# Altium PCB Apalis-Smart-Vision-Baseboard.PcbDoc (part 4 of 6) (continued)
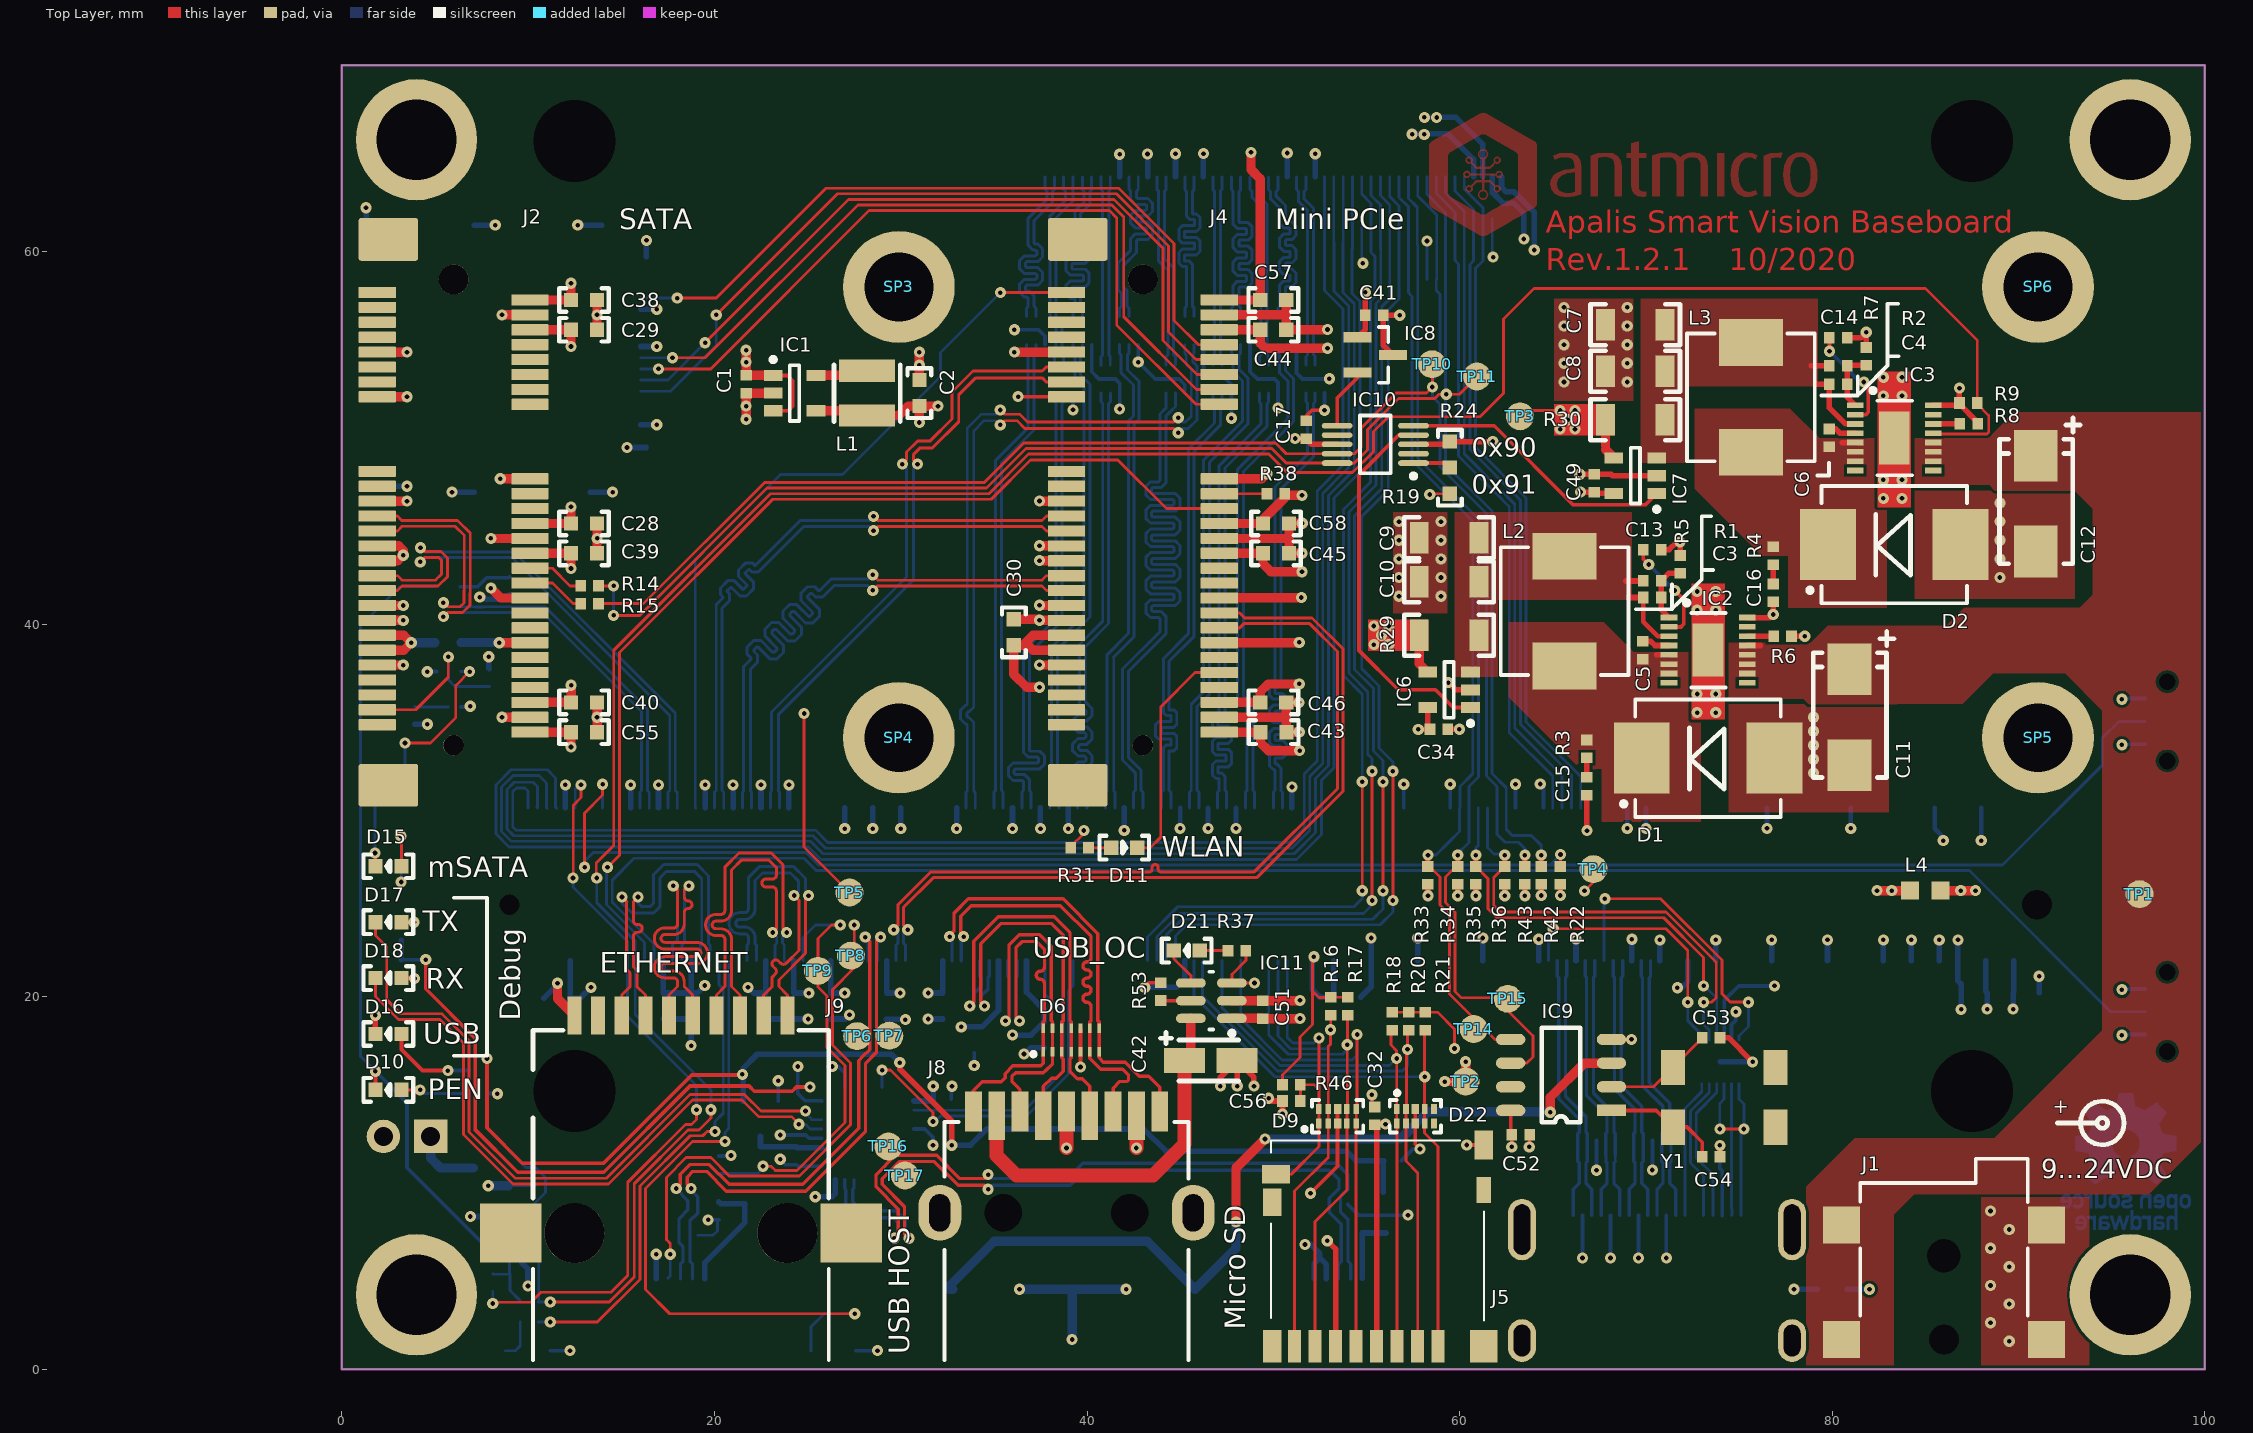
[diagram p0: Top Layer view]
## Nets (pads, with @x,y where several pads share a name; then routed paths per layer and width w, separated by ;. In a path a pad name is that pad's centre, name@x,y a point inside that pad or via, vN(x,y) a via of type N, cw(c..) or ccw(c..) an arc to the next point about the centre after c; other vN are vias at no path point) (continued)
95.241,10.852 ; 93.836,11.422 95.443,11.422 ; 93.836,11.431 95.434,11.431 ; 93.836,12.79 95.379,12.79 ; 93.836,12.799 95.397,12.799 ; 93.836,13.414 97.684,13.414 ; 93.836,13.423 97.684,13.423 ; 93.836,14.048 94.498,14.048 ; 93.846,10.21 94.479,10.21 ; 93.846,10.861 95.241,10.861 ; 93.846,10.871 95.241,10.871 ; 93.846,11.394 95.462,11.394 ; 93.846,11.403 95.462,11.403 ; 93.846,11.412 95.452,11.412 ; 93.846,12.808 95.416,12.808 ; 93.846,12.817 95.434,12.817 ; 93.846,13.405 97.674,13.405 ; 93.846,14.057 94.479,14.057 ; 93.855,10.2 94.461,10.2 ; 93.855,10.88 95.25,10.88 ; 93.855,11.376 95.452,11.376 ; 93.855,11.385 95.462,11.385 ; 93.855,12.826 95.452,12.826 ; 93.855,12.836 95.471,12.836 ; 93.855,12.845 95.498,12.845 ; 93.855,13.386 97.665,13.386 ; 93.855,13.396 97.665,13.396 ; 93.855,14.066 94.47,14.066 ; 93.864,10.191 94.452,10.191 ; 93.864,10.889 95.25,10.889 ; 93.864,10.898 95.26,10.898 ; 93.864,11.348 95.443,11.348 ; 93.864,11.357 95.443,11.357 ; 93.864,11.366 95.452,11.366 ; 93.864,12.854 95.517,12.854 ; 93.864,12.863 95.553,12.863 ; 93.864,13.377 97.656,13.377 ; 93.864,14.075 94.452,14.075 ; 93.873,10.182 94.433,10.182 ; 93.873,10.907 95.26,10.907 ; 93.873,11.33 95.434,11.33 ; 93.873,11.339 95.443,11.339 ; 93.873,12.872 95.59,12.872 ; 93.873,12.881 95.636,12.881 ; 93.873,12.891 95.71,12.891 ; 93.873,13.359 97.647,13.359 ; 93.873,13.368 97.647,13.368 ; 93.873,14.084 94.442,14.084 ; 93.882,8.107 94.149,8.107 ; 93.882,10.173 94.424,10.173 ; 93.882,10.917 95.26,10.917 ; 93.882,11.302 95.425,11.302 ; 93.882,11.311 95.425,11.311 ; 93.882,11.321 95.434,11.321 ; 93.882,12.9 97.638,12.9 ; 93.882,12.909 97.638,12.909 ; 93.882,13.35 97.638,13.35 ; 93.882,14.093 94.424,14.093 ; 93.892,10.164 94.415,10.164 ; 93.892,10.926 95.269,10.926 ; 93.892,10.935 95.269,10.935 ; 93.892,11.284 95.416,11.284 ; 93.892,11.293 95.416,11.293 ; 93.892,12.918 97.629,12.918 ; 93.892,12.927 97.629,12.927 ; 93.892,13.331 97.629,13.331 ; 93.892,13.341 97.629,13.341 ; 93.892,14.103 94.415,14.103 ; 93.901,10.154 94.397,10.154 ; 93.901,10.944 95.278,10.944 ; 93.901,11.256 95.407,11.256 ; 93.901,11.265 95.407,11.265 ; 93.901,11.275 95.416,11.275 ; 93.901,12.937 97.619,12.937 ; 93.901,12.946 97.619,12.946 ; 93.901,12.955 97.619,12.955 ; 93.901,13.322 97.619,13.322 ; 93.901,14.112 94.397,14.112 ; 93.91,10.145 94.387,10.145 ; 93.91,10.953 95.278,10.953 ; 93.91,10.962 95.287,10.962 ; 93.91,11.238 95.397,11.238 ; 93.91,11.247 95.397,11.247 ; 93.91,12.964 97.61,12.964 ; 93.91,12.973 97.61,12.973 ; 93.91,13.304 97.61,13.304 ; 93.91,13.313 97.61,13.313 ; 93.91,14.121 94.387,14.121 ; 93.919,8.098 94.149,8.098 ; 93.919,10.136 94.369,10.136 ; 93.919,10.972 95.287,10.972 ; 93.919,11.21 95.388,11.21 ; 93.919,11.22 95.388,11.22 ; 93.919,11.229 95.397,11.229 ; 93.919,12.982 97.601,12.982 ; 93.919,12.992 97.601,12.992 ; 93.919,13.295 97.601,13.295 ; 93.919,14.13 94.369,14.13 ; 93.928,10.127 94.36,10.127 ; 93.928,10.981 95.287,10.981 ; 93.928,10.99 95.296,10.99 ; 93.928,11.192 95.379,11.192 ; 93.928,11.201 95.379,11.201 ; 93.928,13.001 97.592,13.001 ; 93.928,13.01 97.592,13.01 ; 93.928,13.019 97.592,13.019 ; 93.928,13.285 97.592,13.285 ; 93.928,14.139 94.36,14.139 ; 93.937,8.089 94.149,8.089 ; 93.937,10.118 94.341,10.118 ; 93.937,10.999 95.296,10.999 ; 93.937,11.164 95.37,11.164 ; 93.937,11.174 95.37,11.174 ; 93.937,11.183 95.37,11.183 ; 93.937,13.028 97.583,13.028 ; 93.937,13.038 97.583,13.038 ; 93.937,13.267 97.583,13.267 ; 93.937,13.276 97.583,13.276 ; 93.937,14.149 94.351,14.149 ; 93.947,10.109 94.332,10.109 ; 93.947,11.008 95.306,11.008 ; 93.947,11.018 95.306,11.018 ; 93.947,11.146 95.361,11.146 ; 93.947,11.155 95.361,11.155 ; 93.947,13.047 97.573,13.047 ; 93.947,13.056 97.573,13.056 ; 93.947,13.258 97.573,13.258 ; 93.947,14.158 94.332,14.158 ; 93.956,8.079 94.149,8.079 ; 93.956,10.099 94.314,10.099 ; 93.956,11.027 95.306,11.027 ; 93.956,11.119 95.351,11.119 ; 93.956,11.128 95.351,11.128 ; 93.956,11.137 95.351,11.137 ; 93.956,13.065 97.564,13.065 ; 93.956,13.074 97.564,13.074 ; 93.956,13.083 97.564,13.083 ; 93.956,13.24 97.564,13.24 ; 93.956,13.249 97.564,13.249 ; 93.956,14.167 94.323,14.167 ; 93.965,8.07 94.149,8.07 ; 93.965,10.09 94.305,10.09 ; 93.965,11.036 95.315,11.036 ; 93.965,11.045 95.315,11.045 ; 93.965,11.1 95.342,11.1 ; 93.965,11.109 95.342,11.109 ; 93.965,13.093 97.555,13.093 ; 93.965,13.102 97.555,13.102 ; 93.965,13.23 97.555,13.23 ; 93.965,14.176 94.305,14.176 ; 93.974,8.061 94.149,8.061 ; 93.974,10.081 94.286,10.081 ; 93.974,11.054 95.324,11.054 ; 93.974,11.063 95.324,11.063 ; 93.974,11.073 95.333,11.073 ; 93.974,11.082 95.333,11.082 ; 93.974,11.091 95.333,11.091 ; 93.974,13.111 97.546,13.111 ; 93.974,13.12 97.546,13.12 ; 93.974,13.212 97.546,13.212 ; 93.974,13.221 97.546,13.221 ; 93.974,14.185 94.296,14.185 ; 93.983,8.043 94.149,8.043 ; 93.983,8.052 94.149,8.052 ; 93.983,10.072 94.277,10.072 ; 93.983,13.129 97.537,13.129 ; 93.983,13.139 97.537,13.139 ; 93.983,13.148 97.537,13.148 ; 93.983,13.194 97.537,13.194 ; 93.983,13.203 97.537,13.203 ; 93.983,14.194 94.277,14.194 ; 93.993,8.024 94.149,8.024 ; 93.993,8.033 94.149,8.033 ; 93.993,10.063 94.268,10.063 ; 93.993,13.157 97.528,13.157 ; 93.993,13.166 97.528,13.166 ; 93.993,13.175 97.528,13.175 ; 93.993,13.184 97.528,13.184 ; 93.993,14.204 94.268,14.204 ; 94.002,7.988 94.149,7.988 ; 94.002,7.997 94.149,7.997 ; 94.002,8.006 94.149,8.006 ; 94.002,8.015 94.149,8.015 ; 94.002,10.053 94.25,10.053 ; 94.002,14.213 94.25,14.213 ; 94.011,7.519 94.149,7.519 ; 94.011,7.528 94.149,7.528 ; 94.011,7.538 94.149,7.538 ; 94.011,7.547 94.149,7.547 ; 94.011,7.556 94.149,7.556 ; 94.011,7.565 94.149,7.565 ; 94.011,7.574 94.149,7.574 ; 94.011,7.584 94.149,7.584 ; 94.011,7.593 94.149,7.593 ; 94.011,7.602 94.149,7.602 ; 94.011,7.611 94.149,7.611 ; 94.011,7.62 94.149,7.62 ; 94.011,7.629 94.149,7.629 ; 94.011,7.639 94.149,7.639 ; 94.011,7.648 94.149,7.648 ; 94.011,7.657 94.149,7.657 ; 94.011,7.666 94.149,7.666 ; 94.011,7.675 94.149,7.675 ; 94.011,7.684 94.149,7.684 ; 94.011,7.694 94.149,7.694 ; 94.011,7.703 94.149,7.703 ; 94.011,7.712 94.149,7.712 ; 94.011,7.721 94.149,7.721 ; 94.011,7.73 94.149,7.73 ; 94.011,7.74 94.149,7.74 ; 94.011,7.749 94.149,7.749 ; 94.011,7.758 94.149,7.758 ; 94.011,7.767 94.149,7.767 ; 94.011,7.776 94.149,7.776 ; 94.011,7.785 94.149,7.785 ; 94.011,7.795 94.149,7.795 ; 94.011,7.804 94.149,7.804 ; 94.011,7.813 94.149,7.813 ; 94.011,7.822 94.149,7.822 ; 94.011,7.831 94.149,7.831 ; 94.011,7.841 94.149,7.841 ; 94.011,7.85 94.149,7.85 ; 94.011,7.859 94.149,7.859 ; 94.011,7.868 94.149,7.868 ; 94.011,7.877 94.149,7.877 ; 94.011,7.886 94.149,7.886 ; 94.011,7.896 94.149,7.896 ; 94.011,7.905 94.149,7.905 ; 94.011,7.914 94.149,7.914 ; 94.011,7.923 94.149,7.923 ; 94.011,7.932 94.149,7.932 ; 94.011,7.942 94.149,7.942 ; 94.011,7.951 94.149,7.951 ; 94.011,7.96 94.149,7.96 ; 94.011,7.969 94.149,7.969 ; 94.011,7.978 94.149,7.978 ; 94.011,8.171 94.149,8.171 ; 94.011,8.18 94.149,8.18 ; 94.011,8.19 94.149,8.19 ; 94.011,8.199 94.149,8.199 ; 94.011,8.208 94.149,8.208 ; 94.011,8.217 94.149,8.217 ; 94.011,8.226 94.149,8.226 ; 94.011,8.235 94.149,8.235 ; 94.011,10.044 94.24,10.044 ; 94.011,14.222 94.24,14.222 ; 94.02,10.035 94.222,10.035 ; 94.02,14.231 94.222,14.231 ; 94.029,10.026 94.213,10.026 ; 94.029,14.24 94.213,14.24 ; 94.038,10.017 94.195,10.017 ; 94.038,14.25 94.204,14.25 ; 94.048,10.008 94.185,10.008 ; 94.048,14.259 94.185,14.259 ; 94.057,9.998 94.167,9.998 ; 94.057,14.268 94.176,14.268 ; 94.066,9.989 94.158,9.989 ; 94.066,14.277 94.158,14.277 ; 94.075,9.98 94.139,9.98 ; 94.075,14.286 94.149,14.286 ; 94.084,14.295 94.13,14.295 ; 94.094,9.971 94.13,9.971 ; 94.13,8.676 94.277,8.676 ; 94.13,8.685 94.277,8.685 ; 94.13,8.695 94.277,8.695 ; 94.13,8.704 94.277,8.704 ; 94.13,8.713 94.277,8.713 ; 94.13,8.722 94.277,8.722 ; 94.13,8.731 94.277,8.731 ; 94.13,8.74 94.277,8.74 ; 94.13,8.75 94.654,8.75 ; 94.13,8.759 94.663,8.759 ; 94.13,8.768 94.672,8.768 ; 94.13,8.777 94.672,8.777 ; 94.13,8.786 94.681,8.786 ; 94.13,8.796 94.681,8.796 ; 94.13,8.805 94.387,8.805 ; 94.13,8.814 94.36,8.814 ; 94.13,8.823 94.341,8.823 ; 94.13,8.832 94.323,8.832 ; 94.13,8.841 94.314,8.841 ; 94.13,8.851 94.314,8.851 ; 94.13,8.86 94.305,8.86 ; 94.13,8.869 94.296,8.869 ; 94.13,8.878 94.296,8.878 ; 94.13,8.887 94.286,8.887 ; 94.13,8.897 94.286,8.897 ; 94.13,8.906 94.277,8.906 ; 94.13,8.915 94.277,8.915 ; 94.13,8.924 94.277,8.924 ; 94.13,8.933 94.277,8.933 ; 94.13,8.942 94.277,8.942 ; 94.13,8.952 94.277,8.952 ; 94.13,8.961 94.277,8.961 ; 94.13,8.97 94.277,8.97 ; 94.13,8.979 94.277,8.979 ; 94.13,8.988 94.277,8.988 ; 94.13,8.998 94.277,8.998 ; 94.13,9.007 94.277,9.007 ; 94.13,9.016 94.277,9.016 ; 94.13,9.025 94.277,9.025 ; 94.13,9.034 94.277,9.034 ; 94.13,9.043 94.277,9.043 ; 94.13,9.053 94.277,9.053 ; 94.13,9.062 94.277,9.062 ; 94.13,9.071 94.277,9.071 ; 94.13,9.08 94.277,9.08 ; 94.13,9.089 94.277,9.089 ; 94.13,9.099 94.277,9.099 ; 94.13,9.108 94.277,9.108 ; 94.13,9.117 94.277,9.117 ; 94.13,9.126 94.277,9.126 ; 94.13,9.135 94.277,9.135 ; 94.13,9.144 94.277,9.144 ; 94.13,9.154 94.277,9.154 ; 94.13,9.163 94.277,9.163 ; 94.13,9.172 94.277,9.172 ; 94.13,9.181 94.277,9.181 ; 94.13,9.19 94.277,9.19 ; 94.13,9.2 94.277,9.2 ; 94.13,9.209 94.277,9.209 ; 94.13,9.218 94.277,9.218 ; 94.13,9.227 94.277,9.227 ; 94.13,9.236 94.277,9.236 ; 94.13,9.245 94.277,9.245 ; 94.13,9.255 94.277,9.255 ; 94.13,9.264 94.277,9.264 ; 94.13,9.273 94.277,9.273 ; 94.13,9.282 94.277,9.282 ; 94.13,9.291 94.277,9.291 ; 94.13,9.301 94.277,9.301 ; 94.13,9.31 94.277,9.31 ; 94.13,9.319 94.277,9.319 ; 94.13,9.328 94.277,9.328 ; 94.13,9.337 94.277,9.337 ; 94.13,9.346 94.277,9.346 ; 94.13,9.356 94.277,9.356 ; 94.13,9.365 94.277,9.365 ; 94.13,9.374 94.277,9.374 ; 94.13,9.383 94.277,9.383 ; 94.286,8.74 94.644,8.74 ; 94.296,8.731 94.635,8.731 ; 94.305,8.722 94.626,8.722 ; 94.314,7.519 94.452,7.519 ; 94.314,7.528 94.452,7.528 ; 94.314,7.538 94.452,7.538 ; 94.314,7.547 94.452,7.547 ; 94.314,7.556 94.452,7.556 ; 94.314,7.565 94.452,7.565 ; 94.314,7.574 94.452,7.574 ; 94.314,7.584 94.837,7.584 ; 94.314,7.593 94.846,7.593 ; 94.314,7.602 94.856,7.602 ; 94.314,7.611 94.865,7.611 ; 94.314,7.62 94.865,7.62 ; 94.314,7.629 94.874,7.629 ; 94.314,7.639 94.874,7.639 ; 94.314,7.648 94.525,7.648 ; 94.314,7.657 94.507,7.657 ; 94.314,7.666 94.488,7.666 ; 94.314,7.675 94.479,7.675 ; 94.314,7.684 94.47,7.684 ; 94.314,7.694 94.47,7.694 ; 94.314,7.703 94.461,7.703 ; 94.314,7.712 94.461,7.712 ; 94.314,7.721 94.461,7.721 ; 94.314,7.73 94.461,7.73 ; 94.314,7.74 94.461,7.74 ; 94.314,7.749 94.461,7.749 ; 94.314,7.758 94.461,7.758 ; 94.314,7.767 94.452,7.767 ; 94.314,7.776 94.452,7.776 ; 94.314,7.785 94.452,7.785 ; 94.314,7.795 94.452,7.795 ; 94.314,7.804 94.452,7.804 ; 94.314,7.813 94.452,7.813 ; 94.314,7.822 94.461,7.822 ; 94.314,7.831 94.874,7.831 ; 94.314,7.841 94.865,7.841 ; 94.314,7.85 94.856,7.85 ; 94.314,7.859 94.856,7.859 ; 94.314,7.868 94.846,7.868 ; 94.314,7.877 94.837,7.877 ; 94.314,7.886 94.828,7.886 ; 94.314,7.896 94.81,7.896 ; 94.314,7.905 94.801,7.905 ; 94.314,7.914 94.782,7.914 ; 94.314,7.923 94.764,7.923 ; 94.314,7.932 94.727,7.932 ; 94.314,7.942 94.461,7.942 ; 94.314,7.951 94.452,7.951 ; 94.314,7.96 94.452,7.96 ; 94.314,7.969 94.452,7.969 ; 94.314,7.978 94.452,7.978 ; 94.314,7.988 94.452,7.988 ; 94.314,7.997 94.452,7.997 ; 94.314,8.006 94.452,8.006 ; 94.314,8.015 94.452,8.015 ; 94.314,8.024 94.452,8.024 ; 94.314,8.033 94.461,8.033 ; 94.314,8.713 94.617,8.713 ; 94.323,8.043 94.461,8.043 ; 94.323,8.052 94.461,8.052 ; 94.323,8.061 94.461,8.061 ; 94.323,8.07 94.47,8.07 ; 94.323,8.079 94.47,8.079 ; 94.323,8.089 94.488,8.089 ; 94.323,8.704 94.608,8.704 ; 94.332,8.098 94.498,8.098 ; 94.332,8.107 94.525,8.107 ; 94.332,8.116 94.599,8.116 ; 94.341,8.125 94.828,8.125 ; 94.341,8.134 94.846,8.134 ; 94.341,8.695 94.589,8.695 ; 94.351,8.144 94.856,8.144 ; 94.36,8.153 94.846,8.153 ; 94.36,8.162 94.846,8.162 ; 94.36,8.685 94.571,8.685 ; 94.369,8.171 94.837,8.171 ; 94.378,8.18 94.828,8.18 ; 94.378,8.676 94.553,8.676 ; 94.387,8.19 94.819,8.19 ; 94.406,8.199 94.801,8.199 ; 94.406,8.667 94.525,8.667 ; 94.424,8.208 94.791,8.208 ; 94.433,8.217 94.773,8.217 ; 94.461,8.226 94.755,8.226 ; 94.461,8.805 94.69,8.805 ; 94.47,7.574 94.828,7.574 ; 94.479,7.565 94.819,7.565 ; 94.488,7.556 94.81,7.556 ; 94.488,8.235 94.718,8.235 ; 94.488,8.814 94.69,8.814 ; 94.498,7.547 94.791,7.547 ; 94.507,7.538 94.773,7.538 ; 94.507,8.823 94.69,8.823 ; 94.516,8.832 94.7,8.832 ; 94.525,7.528 94.755,7.528 ; 94.525,8.841 94.7,8.841 ; 94.534,8.851 94.7,8.851 ; 94.543,8.245 94.663,8.245 ; 94.543,8.86 94.7,8.86 ; 94.543,8.869 94.709,8.869 ; 94.553,7.519 94.727,7.519 ; 94.553,8.878 94.709,8.878 ; 94.553,8.887 94.709,8.887 ; 94.562,8.897 94.709,8.897 ; 94.562,8.906 94.709,8.906 ; 94.562,8.915 94.709,8.915 ; 94.562,8.924 94.709,8.924 ; 94.571,8.933 94.709,8.933 ; 94.571,8.942 94.709,8.942 ; 94.571,8.952 94.709,8.952 ; 94.571,8.961 94.709,8.961 ; 94.571,8.97 94.709,8.97 ; 94.571,8.979 94.709,8.979 ; 94.571,8.988 94.709,8.988 ; 94.571,8.998 94.709,8.998 ; 94.571,9.007 94.709,9.007 ; 94.571,9.016 94.709,9.016 ; 94.571,9.025 94.709,9.025 ; 94.571,9.034 94.709,9.034 ; 94.571,9.043 94.709,9.043 ; 94.571,9.053 94.709,9.053 ; 94.571,9.062 94.709,9.062 ; 94.571,9.071 94.709,9.071 ; 94.571,9.08 94.709,9.08 ; 94.571,9.089 94.709,9.089 ; 94.571,9.099 94.709,9.099 ; 94.571,9.108 94.709,9.108 ; 94.571,9.117 94.709,9.117 ; 94.571,9.126 94.709,9.126 ; 94.571,9.135 94.709,9.135 ; 94.571,9.144 94.709,9.144 ; 94.571,9.154 94.709,9.154 ; 94.571,9.163 94.709,9.163 ; 94.571,9.172 94.709,9.172 ; 94.571,9.181 94.709,9.181 ; 94.571,9.19 94.709,9.19 ; 94.571,9.2 94.709,9.2 ; 94.571,9.209 94.709,9.209 ; 94.571,9.218 94.709,9.218 ; 94.571,9.227 94.709,9.227 ; 94.571,9.236 94.709,9.236 ; 94.571,9.245 94.709,9.245 ; 94.571,9.255 94.709,9.255 ; 94.571,9.264 94.709,9.264 ; 94.571,9.273 94.709,9.273 ; 94.571,9.282 94.709,9.282 ; 94.571,9.291 94.709,9.291 ; 94.571,9.301 94.709,9.301 ; 94.571,9.31 94.709,9.31 ; 94.571,9.319 94.709,9.319 ; 94.571,9.328 94.709,9.328 ; 94.571,9.337 94.709,9.337 ; 94.571,9.346 94.709,9.346 ; 94.571,9.356 94.709,9.356 ; 94.571,9.365 94.709,9.365 ; 94.571,9.374 94.709,9.374 ; 94.571,9.383 94.709,9.383 ; 94.626,7.51 94.654,7.51 ; 94.626,8.116 94.819,8.116 ; 94.672,7.822 94.874,7.822 ; 94.69,7.648 94.883,7.648 ; 94.69,8.107 94.81,8.107 ; 94.69,10.338 95.021,10.338 ; 94.709,7.657 94.883,7.657 ; 94.709,7.813 94.883,7.813 ; 94.709,8.098 94.791,8.098 ; 94.718,10.329 95.021,10.329 ; 94.727,7.666 94.883,7.666 ; 94.727,7.804 94.883,7.804 ; 94.727,8.089 94.782,8.089 ; 94.736,7.675 94.892,7.675 ; 94.736,7.795 94.883,7.795 ; 94.736,8.07 94.755,8.07 ; 94.736,8.079 94.773,8.079 ; 94.736,10.32 95.021,10.32 ; 94.745,7.684 94.892,7.684 ; 94.745,7.785 94.883,7.785 ; 94.755,7.694 94.892,7.694 ; 94.755,7.703 94.892,7.703 ; 94.755,7.712 94.892,7.712 ; 94.755,7.767 94.892,7.767 ; 94.755,7.776 94.892,7.776 ; 94.755,10.311 95.012,10.311 ; 94.764,7.721 94.892,7.721 ; 94.764,7.73 94.892,7.73 ; 94.764,7.74 94.892,7.74 ; 94.764,7.749 94.892,7.749 ; 94.764,7.758 94.892,7.758 ; 94.764,13.901 96.756,13.901 ; 94.773,10.301 95.012,10.301 ; 94.782,13.91 96.738,13.91 ; 94.791,10.292 95.003,10.292 ; 94.801,10.283 95.003,10.283 ; 94.801,13.919 96.72,13.919 ; 94.819,10.274 95.003,10.274 ; 94.828,13.928 96.692,13.928 ; 94.837,9.016 94.984,9.016 ; 94.837,9.025 94.984,9.025 ; 94.837,9.034 94.984,9.034 ; 94.837,9.043 94.984,9.043 ; 94.837,10.265 94.993,10.265 ; 94.846,8.906 94.993,8.906 ; 94.846,8.915 94.993,8.915 ; 94.846,8.924 94.984,8.924 ; 94.846,8.933 94.984,8.933 ; 94.846,8.942 94.984,8.942 ; 94.846,8.952 94.984,8.952 ; 94.846,8.961 94.984,8.961 ; 94.846,8.97 94.984,8.97 ; 94.846,8.979 94.984,8.979 ; 94.846,8.988 94.984,8.988 ; 94.846,8.998 94.984,8.998 ; 94.846,9.007 94.984,9.007 ; 94.846,9.053 94.984,9.053 ; 94.846,9.062 94.984,9.062 ; 94.846,9.071 94.984,9.071 ; 94.846,9.08 94.984,9.08 ; 94.846,9.089 94.984,9.089 ; 94.846,9.099 94.984,9.099 ; 94.846,9.108 94.984,9.108 ; 94.846,9.117 94.984,9.117 ; 94.846,9.126 94.984,9.126 ; 94.846,9.135 94.984,9.135 ; 94.846,9.144 94.993,9.144 ; 94.846,9.154 94.993,9.154 ; 94.846,13.937 96.674,13.937 ; 94.856,8.86 95.012,8.86 ; 94.856,8.869 95.012,8.869 ; 94.856,8.878 95.003,8.878 ; 94.856,8.887 95.003,8.887 ; 94.856,8.897 94.993,8.897 ; 94.856,9.163 94.993,9.163 ; 94.856,9.172 95.003,9.172 ; 94.856,9.181 95.003,9.181 ; 94.856,9.19 95.012,9.19 ; 94.856,9.2 95.012,9.2 ; 94.856,10.255 94.993,10.255 ; 94.865,8.832 95.039,8.832 ; 94.865,8.841 95.03,8.841 ; 94.865,8.851 95.021,8.851 ; 94.865,9.209 95.021,9.209 ; 94.865,9.218 95.03,9.218 ; 94.865,9.227 95.039,9.227 ; 94.874,8.814 95.076,8.814 ; 94.874,8.823 95.058,8.823 ; 94.874,9.236 95.058,9.236 ; 94.874,9.245 95.076,9.245 ; 94.874,10.246 94.984,10.246 ; 94.874,13.947 96.646,13.947 ; 94.883,8.796 95.388,8.796 ; 94.883,8.805 95.094,8.805 ; 94.883,9.255 95.104,9.255 ; 94.883,9.264 95.388,9.264 ; 94.892,8.786 95.379,8.786 ; 94.892,9.273 95.379,9.273 ; 94.892,10.237 94.984,10.237 ; 94.892,13.956 96.628,13.956 ; 94.902,8.777 95.379,8.777 ; 94.902,9.282 95.379,9.282 ; 94.911,8.759 95.361,8.759 ; 94.911,8.768 95.37,8.768 ; 94.911,9.291 95.37,9.291 ; 94.911,9.301 95.361,9.301 ; 94.911,10.228 94.975,10.228 ; 94.92,8.217 95.067,8.217 ; 94.92,8.226 95.067,8.226 ; 94.92,8.235 95.067,8.235 ; 94.92,8.75 95.351,8.75 ; 94.92,9.31 95.351,9.31 ; 94.92,13.965 96.6,13.965 ; 94.929,8.18 95.076,8.18 ; 94.929,8.19 95.076,8.19 ; 94.929,8.199 95.076,8.199 ; 94.929,8.208 95.076,8.208 ; 94.929,8.74 95.342,8.74 ; 94.929,9.319 95.342,9.319 ; 94.929,10.219 94.975,10.219 ; 94.938,8.153 95.085,8.153 ; 94.938,8.162 95.085,8.162 ; 94.938,8.171 95.085,8.171 ; 94.938,8.731 95.333,8.731 ; 94.938,9.328 95.333,9.328 ; 94.938,13.974 96.582,13.974 ; 94.947,8.125 95.094,8.125 ; 94.947,8.134 95.094,8.134 ; 94.947,8.144 95.085,8.144 ; 94.947,8.722 95.324,8.722 ; 94.947,9.337 95.324,9.337 ; 94.947,10.21 94.966,10.21 ; 94.957,8.098 95.104,8.098 ; 94.957,8.107 95.104,8.107 ; 94.957,8.116 95.094,8.116 ; 94.957,13.983 96.554,13.983 ; 94.966,8.07 95.113,8.07 ; 94.966,8.079 95.104,8.079 ; 94.966,8.089 95.104,8.089 ; 94.966,8.713 95.315,8.713 ; 94.966,9.346 95.315,9.346 ; 94.975,8.043 95.113,8.043 ; 94.975,8.052 95.113,8.052 ; 94.975,8.061 95.113,8.061 ; 94.975,8.704 95.296,8.704 ; 94.975,9.356 95.296,9.356 ; 94.984,8.015 95.122,8.015 ; 94.984,8.024 95.122,8.024 ; 94.984,8.033 95.122,8.033 ; 94.984,13.992 96.536,13.992 ; 94.993,7.988 95.131,7.988 ; 94.993,7.997 95.131,7.997 ; 94.993,8.006 95.131,8.006 ; 94.993,8.695 95.287,8.695 ; 94.993,9.365 95.278,9.365 ; 95.003,7.951 95.14,7.951 ; 95.003,7.96 95.14,7.96 ; 95.003,7.969 95.14,7.969 ; 95.003,7.978 95.131,7.978 ; 95.003,14.002 96.518,14.002 ; 95.012,7.923 95.149,7.923 ; 95.012,7.932 95.149,7.932 ; 95.012,7.942 95.14,7.942 ; 95.012,8.685 95.26,8.685 ; 95.012,9.374 95.26,9.374 ; 95.021,7.896 95.159,7.896 ; 95.021,7.905 95.159,7.905 ; 95.021,7.914 95.149,7.914 ; 95.03,7.868 95.168,7.868 ; 95.03,7.877 95.159,7.877 ; 95.03,7.886 95.159,7.886 ; 95.03,14.011 96.49,14.011 ; 95.039,7.841 95.168,7.841 ; 95.039,7.85 95.168,7.85 ; 95.039,7.859 95.168,7.859 ; 95.039,8.676 95.241,8.676 ; 95.039,9.383 95.232,9.383 ; 95.048,7.813 95.177,7.813 ; 95.048,7.822 95.177,7.822 ; 95.048,7.831 95.177,7.831 ; 95.048,14.02 96.472,14.02 ; 95.058,7.785 95.186,7.785 ; 95.058,7.795 95.186,7.795 ; 95.058,7.804 95.186,7.804 ; 95.067,7.749 95.195,7.749 ; 95.067,7.758 95.195,7.758 ; 95.067,7.767 95.195,7.767 ; 95.067,7.776 95.186,7.776 ; 95.067,9.392 95.205,9.392 ; 95.076,7.721 95.333,7.721 ; 95.076,7.73 95.333,7.73 ; 95.076,7.74 95.195,7.74 ; 95.076,8.667 95.205,8.667 ; 95.076,14.029 96.444,14.029 ; 95.085,7.694 95.324,7.694 ; 95.085,7.703 95.324,7.703 ; 95.085,7.712 95.324,7.712 ; 95.094,7.666 95.315,7.666 ; 95.094,7.675 95.315,7.675 ; 95.094,7.684 95.324,7.684 ; 95.094,14.038 96.426,14.038 ; 95.104,7.639 95.306,7.639 ; 95.104,7.648 95.306,7.648 ; 95.104,7.657 95.315,7.657 ; 95.113,7.611 95.296,7.611 ; 95.113,7.62 95.296,7.62 ; 95.113,7.629 95.306,7.629 ; 95.122,7.584 95.287,7.584 ; 95.122,7.593 95.296,7.593 ; 95.122,7.602 95.296,7.602 ; 95.122,14.048 96.398,14.048 ; 95.131,7.556 95.278,7.556 ; 95.131,7.565 95.287,7.565 ; 95.131,7.574 95.287,7.574 ; 95.14,7.519 95.269,7.519 ; 95.14,7.528 95.269,7.528 ; 95.14,7.538 95.278,7.538 ; 95.14,7.547 95.278,7.547 ; 95.14,14.057 96.38,14.057 ; 95.159,14.066 96.361,14.066 ; 95.177,8.805 95.397,8.805 ; 95.177,9.255 95.397,9.255 ; 95.186,14.075 96.334,14.075 ; 95.205,8.814 95.397,8.814 ; 95.205,9.245 95.397,9.245 ; 95.205,14.084 96.316,14.084 ; 95.214,7.74 95.333,7.74 ; 95.214,7.749 95.342,7.749 ; 95.223,7.758 95.342,7.758 ; 95.223,7.767 95.342,7.767 ; 95.223,7.776 95.351,7.776 ; 95.223,8.823 95.407,8.823 ; 95.223,9.236 95.407,9.236 ; 95.223,14.093 96.297,14.093 ; 95.232,7.785 95.351,7.785 ; 95.232,7.795 95.351,7.795 ; 95.232,7.804 95.351,7.804 ; 95.232,8.832 95.407,8.832 ; 95.232,9.227 95.407,9.227 ; 95.241,7.813 95.361,7.813 ; 95.241,7.822 95.361,7.822 ; 95.241,7.831 95.361,7.831 ; 95.241,8.841 95.407,8.841 ; 95.241,9.218 95.407,9.218 ; 95.241,14.103 96.279,14.103 ; 95.25,7.841 95.37,7.841 ; 95.25,7.85 95.37,7.85 ; 95.25,7.859 95.37,7.859 ; 95.25,7.868 95.379,7.868 ; 95.25,8.851 95.416,8.851 ; 95.25,9.209 95.416,9.209 ; 95.25,14.112 96.27,14.112 ; 95.25,14.121 96.27,14.121 ; 95.26,7.877 95.379,7.877 ; 95.26,7.886 95.379,7.886 ; 95.26,7.896 95.379,7.896 ; 95.26,8.86 95.416,8.86 ; 95.26,9.2 95.416,9.2 ; 95.26,14.13 96.26,14.13 ; 95.26,14.139 96.26,14.139 ; 95.26,14.149 96.26,14.149 ; 95.26,14.158 96.26,14.158 ; 95.26,14.167 96.26,14.167 ; 95.269,7.905 95.388,7.905 ; 95.269,7.914 95.388,7.914 ; 95.269,7.923 95.388,7.923 ; 95.269,8.869 95.416,8.869 ; 95.269,8.878 95.425,8.878 ; 95.269,9.181 95.425,9.181 ; 95.269,9.19 95.416,9.19 ; 95.269,14.176 96.251,14.176 ; 95.269,14.185 96.251,14.185 ; 95.269,14.194 96.251,14.194 ; 95.269,14.204 96.251,14.204 ; 95.269,14.213 96.251,14.213 ; 95.269,14.222 96.251,14.222 ; 95.278,7.932 95.397,7.932 ; 95.278,7.942 95.397,7.942 ; 95.278,7.951 95.397,7.951 ; 95.278,8.887 95.425,8.887 ; 95.278,8.897 95.425,8.897 ; 95.278,9.163 95.425,9.163 ; 95.278,9.172 95.425,9.172 ; 95.278,14.231 96.242,14.231 ; 95.278,14.24 96.242,14.24 ; 95.278,14.25 96.242,14.25 ; 95.278,14.259 96.242,14.259 ; 95.278,14.268 96.242,14.268 ; 95.287,7.96 95.407,7.96 ; 95.287,7.969 95.407,7.969 ; 95.287,7.978 95.407,7.978 ; 95.287,8.906 95.425,8.906 ; 95.287,8.915 95.425,8.915 ; 95.287,8.924 95.434,8.924 ; 95.287,8.933 95.434,8.933 ; 95.287,8.942 95.434,8.942 ; 95.287,9.117 95.434,9.117 ; 95.287,9.126 95.434,9.126 ; 95.287,9.135 95.434,9.135 ; 95.287,9.144 95.425,9.144 ; 95.287,9.154 95.425,9.154 ; 95.287,14.277 96.233,14.277 ; 95.287,14.286 96.233,14.286 ; 95.287,14.295 96.233,14.295 ; 95.287,14.305 96.233,14.305 ; 95.287,14.314 96.233,14.314 ; 95.296,7.988 95.407,7.988 ; 95.296,7.997 95.416,7.997 ; 95.296,8.006 95.416,8.006 ; 95.296,8.952 95.434,8.952 ; 95.296,8.961 95.434,8.961 ; 95.296,8.97 95.434,8.97 ; 95.296,8.979 95.434,8.979 ; 95.296,8.988 95.434,8.988 ; 95.296,8.998 95.434,8.998 ; 95.296,9.007 95.434,9.007 ; 95.296,9.016 95.434,9.016 ; 95.296,9.025 95.434,9.025 ; 95.296,9.034 95.434,9.034 ; 95.296,9.043 95.434,9.043 ; 95.296,9.053 95.434,9.053 ; 95.296,9.062 95.434,9.062 ; 95.296,9.071 95.434,9.071 ; 95.296,9.08 95.434,9.08 ; 95.296,9.089 95.434,9.089 ; 95.296,9.099 95.434,9.099 ; 95.296,9.108 95.434,9.108 ; 95.296,14.323 96.224,14.323 ; 95.296,14.332 96.224,14.332 ; 95.296,14.341 96.224,14.341 ; 95.296,14.351 96.224,14.351 ; 95.296,14.36 96.224,14.36 ; 95.296,14.369 96.224,14.369 ; 95.306,8.015 95.416,8.015 ; 95.306,8.024 95.425,8.024 ; 95.306,8.033 95.544,8.033 ; 95.306,14.378 96.215,14.378 ; 95.306,14.387 96.215,14.387 ; 95.306,14.396 96.215,14.396 ; 95.306,14.406 96.215,14.406 ; 95.306,14.415 96.215,14.415 ; 95.315,8.043 95.544,8.043 ; 95.315,8.052 95.535,8.052 ; 95.315,8.061 95.535,8.061 ; 95.315,14.424 96.205,14.424 ; 95.315,14.433 96.205,14.433 ; 95.315,14.442 96.205,14.442 ; 95.315,14.452 96.205,14.452 ; 95.315,14.461 96.205,14.461 ; 95.315,14.47 96.196,14.47 ; 95.324,8.07 95.535,8.07 ; 95.324,8.079 95.526,8.079 ; 95.324,8.089 95.526,8.089 ; 95.324,14.479 96.196,14.479 ; 95.324,14.488 96.196,14.488 ; 95.324,14.497 96.196,14.497 ; 95.324,14.507 96.196,14.507 ; 95.324,14.516 96.196,14.516 ; 95.333,8.098 95.526,8.098 ; 95.333,8.107 95.517,8.107 ; 95.333,8.116 95.517,8.116 ; 95.333,14.525 96.187,14.525 ; 95.333,14.534 96.187,14.534 ; 95.333,14.543 96.187,14.543 ; 95.333,14.553 96.187,14.553 ; 95.333,14.562 96.187,14.562 ; 95.342,8.125 95.517,8.125 ; 95.342,8.134 95.508,8.134 ; 95.342,8.144 95.508,8.144 ; 95.342,14.571 96.178,14.571 ; 95.342,14.58 96.178,14.58 ; 95.342,14.589 96.178,14.589 ; 95.342,14.598 96.178,14.598 ; 95.342,14.608 96.178,14.608 ; 95.342,14.617 96.178,14.617 ; 95.351,8.153 95.508,8.153 ; 95.351,8.162 95.498,8.162 ; 95.351,8.171 95.498,8.171 ; 95.351,8.18 95.498,8.18 ; 95.351,14.626 96.169,14.626 ; 95.351,14.635 96.169,14.635 ; 95.351,14.644 96.169,14.644 ; 95.351,14.654 96.169,14.654 ; 95.351,14.663 96.169,14.663 ; 95.361,8.19 95.489,8.19 ; 95.361,8.199 95.489,8.199 ; 95.361,8.208 95.489,8.208 ; 95.361,14.672 96.159,14.672 ; 95.361,14.681 96.159,14.681 ; 95.361,14.69 96.159,14.69 ; 95.361,14.699 96.159,14.699 ; 95.361,14.709 96.159,14.709 ; 95.37,8.217 95.48,8.217 ; 95.37,8.226 95.48,8.226 ; 95.37,8.235 95.48,8.235 ; 95.37,14.718 96.15,14.718 ; 95.37,14.727 96.15,14.727 ; 95.37,14.736 96.15,14.736 ; 95.37,14.745 96.15,14.745 ; 95.37,14.755 96.15,14.755 ; 95.37,14.764 96.15,14.764 ; 95.379,14.773 96.141,14.773 ; 95.379,14.782 96.141,14.782 ; 95.379,14.791 96.141,14.791 ; 95.379,14.8 96.141,14.8 ; 95.379,14.81 96.141,14.81 ; 95.388,14.819 96.132,14.819 ; 95.388,14.828 96.132,14.828 ; 95.397,14.644 96.123,14.644 ; 95.416,14.654 96.104,14.654 ; 95.434,8.006 95.553,8.006 ; 95.434,8.015 95.553,8.015 ; 95.434,8.024 95.544,8.024 ; 95.443,7.969 95.563,7.969 ; 95.443,7.978 95.563,7.978 ; 95.443,7.988 95.563,7.988 ; 95.443,7.997 95.553,7.997 ; 95.452,7.942 95.572,7.942 ; 95.452,7.951 95.572,7.951 ; 95.452,7.96 95.572,7.96 ; 95.462,7.914 95.581,7.914 ; 95.462,7.923 95.581,7.923 ; 95.462,7.932 95.572,7.932 ; 95.471,7.877 95.59,7.877 ; 95.471,7.886 95.59,7.886 ; 95.471,7.896 95.59,7.896 ; 95.471,7.905 95.581,7.905 ; 95.48,7.85 95.599,7.85 ; 95.48,7.859 95.599,7.859 ; 95.48,7.868 95.599,7.868 ; 95.489,7.822 95.609,7.822 ; 95.489,7.831 95.609,7.831 ; 95.489,7.841 95.609,7.841 ; 95.498,7.785 95.627,7.785 ; 95.498,7.795 95.618,7.795 ; 95.498,7.804 95.618,7.804 ; 95.498,7.813 95.618,7.813 ; 95.508,7.758 95.636,7.758 ; 95.508,7.767 95.627,7.767 ; 95.508,7.776 95.627,7.776 ; 95.517,7.73 95.774,7.73 ; 95.517,7.74 95.636,7.74 ; 95.517,7.749 95.636,7.749 ; 95.526,7.694 95.765,7.694 ; 95.526,7.703 95.765,7.703 ; 95.526,7.712 95.765,7.712 ; 95.526,7.721 95.774,7.721 ; 95.526,8.841 95.682,8.841 ; 95.526,8.851 95.673,8.851 ; 95.526,8.86 95.673,8.86 ; 95.526,8.869 95.664,8.869 ; 95.526,8.878 95.664,8.878 ; 95.526,8.887 95.664,8.887 ; 95.526,8.897 95.664,8.897 ; 95.526,8.906 95.673,8.906 ; 95.526,8.915 95.673,8.915 ; 95.526,8.924 95.673,8.924 ; 95.526,8.933 95.682,8.933 ; 95.535,7.666 95.755,7.666 ; 95.535,7.675 95.755,7.675 ; 95.535,7.684 95.755,7.684 ; 95.535,8.814 95.71,8.814 ; 95.535,8.823 95.7,8.823 ; 95.535,8.832 95.691,8.832 ; 95.535,8.942 95.691,8.942 ; 95.535,8.952 95.71,8.952 ; 95.535,8.961 95.746,8.961 ; 95.544,7.629 95.746,7.629 ; 95.544,7.639 95.746,7.639 ; 95.544,7.648 95.746,7.648 ; 95.544,7.657 95.755,7.657 ; 95.544,8.786 96.141,8.786 ; 95.544,8.796 95.765,8.796 ; 95.544,8.805 95.737,8.805 ; 95.544,8.97 95.838,8.97 ; 95.544,8.979 95.921,8.979 ; 95.544,8.988 95.957,8.988 ; 95.544,9.301 96.058,9.301 ; 95.553,7.602 95.737,7.602 ; 95.553,7.611 95.737,7.611 ; 95.553,7.62 95.737,7.62 ; 95.553,8.777 96.123,8.777 ; 95.553,8.998 95.976,8.998 ; 95.553,9.291 96.058,9.291 ; 95.553,9.31 96.049,9.31 ; 95.563,7.574 95.728,7.574 ; 95.563,7.584 95.728,7.584 ; 95.563,7.593 95.728,7.593 ; 95.563,8.768 96.114,8.768 ; 95.563,9.007 95.994,9.007 ; 95.563,9.016 96.013,9.016 ; 95.563,9.282 96.068,9.282 ; 95.563,9.319 96.04,9.319 ; 95.572,7.538 95.71,7.538